# Altium PCB LPCB235R0.PcbDoc (part 5 of 7)
Units mm, origin at the board's own origin, x right, y up, seen from the top; angles counter-clockwise.
Board outline 134 x 120 mm, 6 copper layers (Top Layer, IP1(DGND), MidLayer1, MidLayer2, IP2(D3V3), Bottom Layer), stack 1.623 mm thick; 472 components, 425 nets, 2110 pads, 1126 vias.
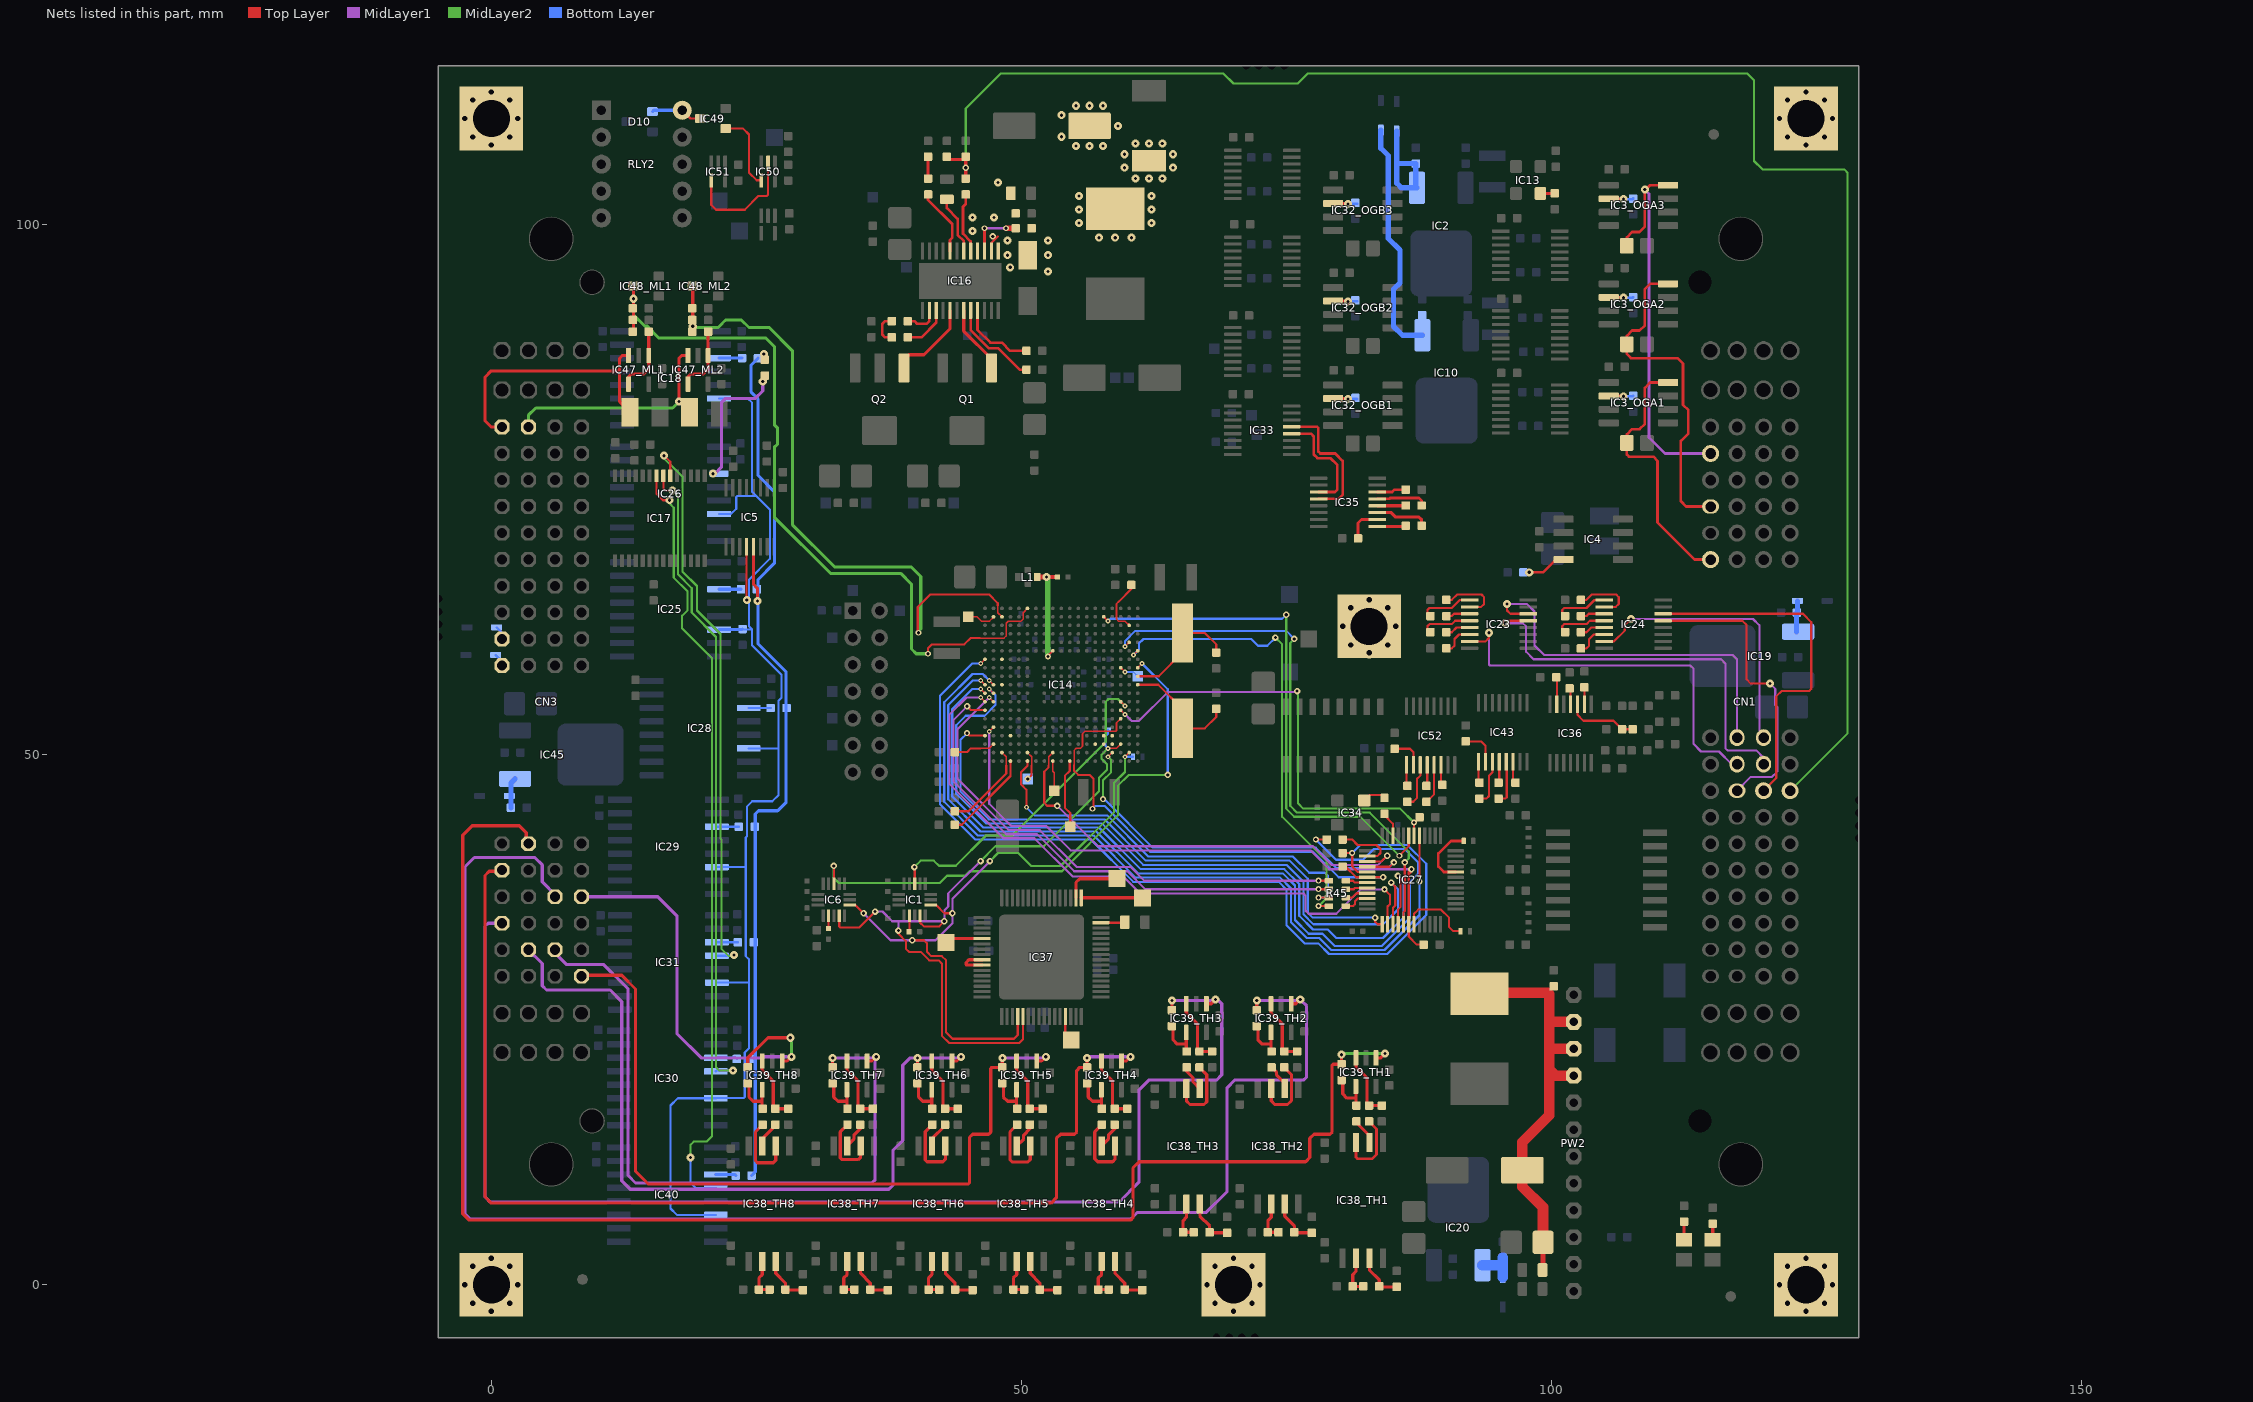
[diagram p9: the nets of this part, all layers, seen from the top]

## Via types
v1: diameter 0.762, hole 0.3, Top Layer to Bottom Layer, tented both sides, 756 vias
v2: diameter 0.61, hole 0.3, Top Layer to Bottom Layer, tented both sides, 135 vias
v3: diameter 0.457, hole 0.2, Top Layer to Bottom Layer, tented both sides, 98 vias
v4: diameter 1.016, hole 0.5, Top Layer to Bottom Layer, tented both sides, 57 vias
v5: diameter 0.6, hole 0.3, Top Layer to Bottom Layer, 30 vias
v6: diameter 0.559, hole 0.3, Top Layer to Bottom Layer, tented both sides, 24 vias
v7: diameter 0.6, hole 0.3, Top Layer to Bottom Layer, tented both sides, 18 vias
v8: diameter 1.1, hole 0.6, Top Layer to Bottom Layer, 8 vias

## Nets (pads, with @x,y where several pads share a name; then routed paths per layer and width w, separated by ;. In a path a pad name is that pad's centre, name@x,y a point inside that pad or via, vN(x,y) a via of type N, cw(c..) or ccw(c..) an arc to the next point about the centre after c; other vN are vias at no path point) (continued)
HEC_NRE6: IC17.6 IC31.4 | length 53.9
  Top Layer w0.203: v1(16.3,78.2) 16.875,77.625 IC17.6@16.875,76.3
  MidLayer2 w0.203: v1(16.3,78.2) 16.3,77.938 18.038,76.2 18.038,67.262 19.4,65.9 19.4,63.6 21.619,61.381 21.619,42.061 21.7,41.98 21.7,31.7 22.4,31 v1@22.8,31
  Bottom Layer w0.203: IC31.4@21.275,31.035 22.835,31.035 v1(22.9,31.1)
HEC_NRE7: IC17.7 IC30.4 | length 61.7
  Top Layer w0.203: IC17.7@16.225,76.3 16.225,75.075 16.4,74.9 v1(17.1,74.9)
  MidLayer2 w0.203: v1(17.1,74.9) 17.2,74.9 17.6,74.5 17.6,67 18.9,65.7 18.9,63.4 21.2,61.1 21.2,20.5 21.5,20.2 v1(22.8,20.2)
  Bottom Layer w0.203: IC30.4@21.175,20.135 21.24,20.2 v1(22.8,20.2)
HEC_NRE8: IC17.8 IC40.4 | length 73.8
  Top Layer w0.203: IC17.8@15.575,76.3 15.575,74.625 16.2,74 v1(16.8,74)
  MidLayer2 w0.203: v1(16.8,74) 16.8,73.7 17.2,73.3 17.2,66.7 18.519,65.381 18.519,63.619 18,63.1 18,61.9 20.819,59.081 20.819,14.019 20.3,13.5 19.1,13.5 18.8,13.2 v1(18.8,12)
  Bottom Layer w0.203: v1(18.8,12) 18.8,9.6 19.265,9.135 IC40.4@21.175,9.135
HEC_RX: IC5.13 R33.1 R34.1 R35.1 R36.1 R37.1 R38.1 R49.1 R57.1 | length 87.7
  Top Layer w0.3: IC5.13@24.725,69.625 24.725,66.075 25.1,65.7 v1(25.1,64.5)
  Bottom Layer w0.3: R57.1@24.55,10.3 24.9,10.65 24.9,44.4 25.2,44.7 27,44.7 27.8,45.5 27.8,57.8 25.15,60.45 25.15,66.5 26.7,68.05 26.7,74.8 25.15,76.35 25.15,82.8 25.15,83.55 24.5,84.2 24.5,86.75 R33.1@25.15,87.4
  other v1: 25.7,87.8
HEC_SIG1: CN3.3A_A IC39_TH1.1 R79_TH1.1 | length 146.3
  Top Layer w0.3: CN3.3A_A@3.5,41.6 3.3,41.8 3.3,42.628 2.628,43.3 -1.8,43.3 -2.7,42.4 -2.7,6.7 -2.1,6.1 60.3,6.1 60.522,6.322 60.522,11.022 61.1,11.6 76.8,11.6 77.2,12 77.2,13.8 77.6,14.2 79.1,14.2 79.3,14.4 79.3,20.7 79.4,20.8 R79_TH1.1@80.195,20.8 80.195,21.695 v1(80.2,21.7) ; IC39_TH1.1@83.445,21.4 83.9,21.4 v1(84.3,21.8)
  MidLayer2 w0.3: v1(80.2,21.7) 80.3,21.8 v1(84.3,21.8)
HEC_SIG2: CN3.2C_A IC39_TH2.1 R79_TH2.1 | length 148.5
  Top Layer w0.3: R79_TH2.1@72.195,25.9 72.195,26.795 v1(72.2,26.8) ; IC39_TH2.1@75.445,26.5 75.9,26.5 v1(76.3,26.9)
  MidLayer1 w0.3: CN3.2C_A@6.1,36.7 4.8,38 4.8,39.6 4.1,40.3 -1.6,40.3 -2.5,39.4 -2.5,6.7 -2,6.2 60.3,6.2 60.9,6.8 67.4,6.8 69.4,8.8 69.4,18.6 70.1,19.3 76.6,19.3 76.9,19.6 76.9,26.3 76.4,26.8 v1(72.2,26.8)
HEC_SIG3: CN3.4D_A IC39_TH3.1 R79_TH3.1 | length 120.4
  Top Layer w0.3: R79_TH3.1@64.195,25.9 64.195,26.795 v1(64.2,26.8) ; IC39_TH3.1@67.445,26.5 67.9,26.5 v1(68.3,26.9)
  MidLayer1 w0.3: CN3.4D_A@1,34.1 -0.3,34.1 -0.6,33.8 -0.6,8.3 -0.1,7.8 59.2,7.8 61.1,9.7 61.1,18.4 62,19.3 68.4,19.3 68.9,19.8 68.9,26.5 68.6,26.8 v1(64.2,26.8)
HEC_SIG4: CN3.4B_A IC39_TH4.1 R79_TH4.1 | length 107.2
  Top Layer w0.3: CN3.4B_A@1,39.1 0.9,39 -0.2,39 -0.6,38.6 -0.6,8.3 0,7.7 52.8,7.7 53.3,8.2 53.3,13.8 53.7,14.2 55,14.2 55.2,14.4 55.2,20.2 55.5,20.5 R79_TH4.1@56.195,20.5 56.195,21.395 v1(56.2,21.4) ; IC39_TH4.1@59.445,21.1 59.9,21.1 v1(60.3,21.5)
  MidLayer1 w0.3: v1(56.2,21.4) 56.3,21.5 v1(60.3,21.5)
HEC_SIG5: CN3.1F_A IC39_TH5.1 R79_TH5.1 | length 74.6
  Top Layer w0.3: CN3.1F_A@8.5,29.2 12.3,29.2 13.6,27.9 13.6,10.7 14.8,9.5 45,9.5 45.1,9.6 45.1,13.9 45.4,14.2 46.9,14.2 47.1,14.4 47.1,20.4 47.2,20.5 R79_TH5.1@48.195,20.5 48.195,21.395 v1(48.2,21.4) ; IC39_TH5.1@51.445,21.1 51.9,21.1 v1(52.3,21.5)
  MidLayer1 w0.3: v1(48.2,21.4) 52.2,21.4 v1(52.3,21.5)
HEC_SIG6: CN3.3E_A IC39_TH6.1 R79_TH6.1 | length 74.5
  Top Layer w0.3: R79_TH6.1@40.195,20.5 40.195,21.395 v1(40.2,21.4) ; IC39_TH6.1@43.445,21.1 43.9,21.1 v1(44.3,21.5)
  MidLayer1 w0.3: CN3.3E_A@3.5,31.6 4.8,30.3 4.8,28.2 5.2,27.8 11.2,27.8 12.3,26.7 12.3,9.8 13.1,9 37.5,9 37.891,9.391 37.891,12.691 38.8,13.6 38.8,20.7 39.5,21.4 v1(40.2,21.4) 44.2,21.4 v1(44.3,21.5)
HEC_SIG7: CN3.2E_A IC39_TH7.1 R79_TH7.1 | length 67.5
  Top Layer w0.3: R79_TH7.1@32.195,20.5 32.195,21.395 v1(32.2,21.4) ; IC39_TH7.1@35.445,21.1 35.9,21.1 v1(36.3,21.5)
  MidLayer1 w0.3: CN3.2E_A@5.9,31.7 5.9,31.4 7.1,30.2 10.6,30.2 12.9,27.9 12.9,10.3 13.6,9.6 35.9,9.6 36.2,9.9 36.2,21.4 v1(32.2,21.4)
HEC_SIG8: CN3.1C_A IC39_TH8.1 R79_TH8.1 | length 41.2
  Top Layer w0.3: R79_TH8.1@24.195,20.5 24.195,21.395 ; 24.2,21.4 24.195,21.395 ; IC39_TH8.1@27.445,21.1 27.9,21.1 v1(28.3,21.5) ; v1(28.2,23.3) 26.1,23.3 24.195,21.395
  MidLayer1 w0.3: CN3.1C_A@8.5,36.6 15.7,36.6 17.5,34.8 17.5,23.7 19.8,21.4 25.6,21.4 25.7,21.5 v1(28.3,21.5)
  MidLayer2 w0.3: v1(28.2,23.3) 28.3,23.2 v1(28.3,21.5)
HEC_TX: IC5.12 IC18.6 IC25.6 IC26.6 IC28.6 IC29.6 IC30.6 IC31.6 IC40.6 R30.2 | length 117.7
  Top Layer w0.203: IC5.12@24.075,69.625 24.075,64.725 v1@24.2,64.6
  Bottom Layer w0.203: IC40.6@21.175,6.595 17.505,6.595 16.9,7.2 16.9,16.9 17.595,17.595 IC30.6@21.175,17.595 21.18,17.6 23.8,17.6 23.9,17.7 23.9,21.9 24.3,22.3 24.3,28.5 ; IC31.6@21.275,28.495 24.295,28.495 24.3,28.5 ; IC29.6@21.275,39.395 23.995,39.395 24,39.4 ; IC26.6@21.475,72.695 22.595,72.695 23.1,73.2 23.1,74.3 23.2,74.4 25,74.4 ; IC18.6@21.475,83.595 24.205,83.595 24.6,83.2 24.6,74.8 25,74.4 ; R30.2@23.645,61.795 23.65,61.8 24.6,61.8 ; IC28.6@24.275,50.595 27.045,50.595 27.1,50.65 ; 24,39.4 24,42.2 24.1,42.3 24.1,45.1 24.6,45.6 26.5,45.6 27.1,46.2 27.1,50.65 ; 24,39.4 24,31 24.3,30.7 24.3,28.5 ; 24.6,61.8 24.3,62.1 24.3,66.5 26.271,68.471 26.271,73.129 25,74.4 ; 24.6,61.8 24.6,60.3 27.371,57.529 27.371,55.371 27.1,55.1 27.1,50.65
  Bottom Layer w0.3: IC25.6@21.475,61.795 R30.2@23.645,61.795 ; R30.2@23.65,61.8 R30.2@23.7,61.85
  other v1: 24.1,64.6
I2C_SCL: IC1.4 IC6.4 IC14.C3 IC37.5 R85.1 | length 70.3
  Top Layer w0.152: v3(58.165,50.595) 58.965,50.595 IC14.C3@59.365,50.995
  Top Layer w0.203: IC6.4@32.815,35.016 32.815,33.785 32.9,33.7 34.7,33.7 v2(36.2,35.2) ; v2(38.4,33.4) 38.4,33.1 39.1,32.4 39.1,31.7 39.4,31.4 40.5,31.4 41.3,30.6 42.2,30.6 42.5,30.3 42.5,23.5 43.2,22.8 ; IC1.4@40.435,35.016 40.435,34.165 40.8,33.8 42.245,33.8 v2(42.729,34.284) ; 44.831,22.8 43.2,22.8 ; IC37.5@50.15,25.3 50.15,23.15 49.8,22.8 43.2,22.8
  MidLayer1 w0.203: v2(36.2,35.2) 36.9,35.2 37.816,34.284 38.4,34.284 ; v2(38.4,33.4) 38.4,34.284 ; v2(46.145,39.958) 43.1,36.913 43.1,35.671 42.729,35.3 v2(42.729,34.284) 38.4,34.284
  MidLayer2 w0.203: v2(46.145,39.958) 47.542,41.355 52.114,41.355 57.321,46.562 57.321,47.832 58.083,48.594 58.083,49.077 57.565,49.595 57.565,49.995 v3(58.165,50.595)
  Bottom Layer w0.203: v3(58.165,50.595) 57.929,50.831 57.929,51.742 58.165,51.978 R85.1@58.165,52.345
I2C_SDA: IC1.6 IC6.6 IC14.B2 IC37.4 R84.1 | length 66.7
  Top Layer w0.152: v3(59.765,49.795) IC14.B2@60.165,50.195
  Top Layer w0.203: IC6.6@33.615,35.816 34.339,35.816 v2(35.109,35.046) ; v2(39.7,32.5) 40.8,32.5 41.1,32.2 41.1,31.4 41.5,31 42.5,31 42.9,30.6 42.9,23.8 43.5,23.2 ; IC1.6@41.235,35.816 41.959,35.816 42.729,35.046 v2(43.491,35.046) ; 46.6,23.2 43.5,23.2 ; IC37.4@49.65,25.3 49.65,23.55 49.3,23.2 43.5,23.2
  MidLayer1 w0.203: v2(35.109,35.046) 37.655,32.5 v2(39.7,32.5) 41.9,32.5 43.491,34.091 v2(43.491,35.046) 43.491,36.415 v2(47.034,39.958)
  MidLayer2 w0.203: v2(47.034,39.958) 47.796,40.72 49.701,40.72 50.921,39.5 53.688,39.5 58.718,44.53 58.718,47.324 59.765,48.371 v3(59.765,49.795)
  Bottom Layer w0.203: v3(59.765,49.795) R84.1@60.515,49.795
IMU_PITCH1_DRDY: IC1.11 IC14.H3 | length 31.7
  Top Layer w0.152: IC14.H3@59.365,54.995 v3(59.765,54.595)
  Top Layer w0.203: IC1.11@39.935,37.616 v2@39.935,39.4
  MidLayer2 w0.203: v2(39.9,39.4) 40.5,40 41.742,40 42.221,39.521 43.803,39.521 46.653,42.371 49.141,42.371 57.956,51.186 57.956,54.986 58.219,55.249 59.111,55.249 v3(59.765,54.595)
IMU_PITCH2_DRDY: IC6.11 IC14.M1 | length 52.6
  Top Layer w0.152: IC14.M1@60.965,58.195 v3(61.365,58.595)
  Top Layer w0.203: IC6.11@32.315,37.616 v2@32.315,39.5
  MidLayer2 w0.203: v2(32.3,39.5) 32.3,38.4 32.8,37.9 42.3,37.9 42.983,38.583 44.683,38.583 45.1,39 53.823,39 59.099,44.276 59.099,47.07 60.115,48.086 v2(63.798,48.086)
  Bottom Layer w0.203: v3(61.365,58.595) 63.798,56.162 v2(63.798,48.086)
IN_TRUCK_ACC: C70.1 CN1.1C_B R28.1 R29.2 | length 163.8
  Top Layer w0.305: C70.1@42.97,106.391 43.236,106.125 44.482,106.125 R29.2@44.748,106.391 v2(44.748,105.363) R28.1@44.748,104.335
  MidLayer2 w0.2: v2(44.748,105.363) 44.748,110.951 48.05,114.253 69.047,114.253 70,113.3 76.047,113.3 77,114.253 118.447,114.253 119.1,113.6 119.1,106 119.9,105.2 127.6,105.2 127.933,104.867 127.933,52.033 CN1.1C_B@122.5,46.6
INTLK_SW1_NC: CN1.3B_B IC23.7 | length 36.9
  Top Layer w0.203: IC23.7@92.265,60.685 93.785,60.685 94.1,61 v1(94.1,61.5)
  MidLayer1 w0.203: v1(94.1,61.5) 94.1,58.5 94.2,58.4 113.1,58.4 113.4,58.1 113.4,51 114.1,50.3 115.8,50.3 117,49.1 CN1.3B_B@117.5,49.1
INTLK_SW1_NO: CN1.3A_B IC23.14 | length 35.9
  Top Layer w0.203: v1(95.8,64.2) 95.8,63.6 96.115,63.285 IC23.14@97.815,63.285
  MidLayer1 w0.203: v1(95.8,64.2) 97.7,64.2 98.4,63.5 98.4,60.3 99.3,59.4 117.1,59.4 117.5,59 CN1.3A_B@117.5,51.6
INTLK_SW1_RET: CN1.2B_B IC23.13 | length 39
  Top Layer w0.203: v1@95.4,62.4 95.635,62.635 IC23.13@97.815,62.635 ; CN1.2B_B@120,49.1 CN1.2B_B@120,49.2
  MidLayer1 w0.203: v1(95.6,62.4) 97.3,62.4 97.6,62.1 97.6,59.7 98.3,59 116,59 116.4,58.6 116.4,50.6 116.6,50.4 119.3,50.4 120,49.7 CN1.2B_B@120,49.1
INTLK_SW2_NC: CN1.2A_B IC24.7 | length 27
  Top Layer w0.203: IC24.7@104.965,60.685 105.885,60.685 106.9,61.7 106.9,62.2 v1(107.5,62.8) v1@107.6,62.9
  MidLayer1 w0.203: v1(107.5,62.8) 119,62.8 119.6,62.2 119.6,57 119.6,52 CN1.2A_B@120,51.6
INTLK_SW2_NO: CN1.2C_B IC24.14 | length 33.6
  Top Layer w0.203: IC24.14@110.515,63.285 123.715,63.285 124.5,62.5 124.5,56.2 124.3,56 121.7,56 121.2,55.5 121.2,47.8 CN1.2C_B@120,46.6
INTLK_SW2_RET: CN1.3C_B IC24.13 | length 29
  Top Layer w0.203: IC24.13@110.515,62.635 118,62.635 118.4,62.235 118.4,57.1 118.8,56.7 v1(120.6,56.7) v1@120.9,56.7
  MidLayer1 w0.203: CN1.3C_B@117.5,46.6 118.8,47.9 120.8,47.9 121.3,48.4 121.3,54.5 121.1,54.7 121.1,56.2 v1(120.6,56.7)
ISO1: MH1.MOUNT
  other v4: 124,-2.5 122.25,-1.75 125.75,-1.75 121.5,0 126.5,0 122.25,1.75 125.75,1.75 124,2.5
ISO2: MH2.MOUNT
  other v4: 70,-2.5 68.25,-1.75 71.75,-1.75 67.5,0 72.5,0 68.25,1.75 71.75,1.75 70,2.5
ISO3: MH3.MOUNT
  other v4: 82.8,59.6 81.05,60.35 84.55,60.35 80.3,62.1 85.3,62.1 81.05,63.85 84.55,63.85 82.8,64.6
ISO4: MH4.MOUNT
  other v4: 0,-2.5 -1.75,-1.75 1.75,-1.75 -2.5,0 2.5,0 -1.75,1.75 1.75,1.75 0,2.5
ISO5: MH5.MOUNT
  other v4: 0,107.5 -1.75,108.25 1.75,108.25 -2.5,110 2.5,110 -1.75,111.75 1.75,111.75 0,112.5
ISO6: MH6.MOUNT
  other v4: 124,107.5 122.25,108.25 125.75,108.25 121.5,110 126.5,110 122.25,111.75 125.75,111.75 124,112.5
MAC_MDCLK: IC14.V5 IC27.31 | length 50.7
  Top Layer w0.152: IC14.V5@57.765,62.995 v3(58.165,62.595)
  Top Layer w0.203: v6(85.642,40.466) 86.535,41.359 IC27.31@86.535,42.355
  MidLayer2 w0.203: v2(74.974,63.199) 74.974,44.911 75.736,44.149 81.959,44.149 v6(85.642,40.466)
  Bottom Layer w0.203: v3(58.165,62.595) 58.388,62.818 74.593,62.818 v2(74.974,63.199)
MAC_MDIO: IC14.G3 IC27.30 R46.2 | length 41.8
  Top Layer w0.152: IC14.G3@59.365,54.195 v3(59.765,53.795)
  Top Layer w0.203: IC27.30@87.035,42.355 v6(87.035,43.594)
  MidLayer1 w0.203: v3(59.765,53.795) 60.394,53.166 61.066,53.166 63.8,55.9 75.9,55.9 v2(76,56)
  MidLayer2 w0.203: v2(76,56) 76.1,55.9 76.1,45.4 76.589,44.911 85.718,44.911 v6(87.035,43.594)
MID_SIG_Q2: IC36.3 R71.2 R72.2 | length 6.8
  Top Layer w0.203: IC36.3@102.45,54.775 102.45,53.75 103,53.2 105.85,53.2 R72.2@106.65,52.4 R71.2@107.65,52.4
MII_COL: IC14.F3 IC27.42 R41.1 | length 49.3
  Top Layer w0.152: 54.965,48.995 54.965,50.395 55.165,50.595 55.565,50.595 55.765,50.795 55.765,51.965 55.996,52.196 58.896,52.196 58.965,52.265 58.965,52.995 IC14.F3@59.365,53.395
  Top Layer w0.203: 54.965,48.995 54.965,48.495 55.365,48.095 56.423,48.095 56.8,47.718 56.8,45 v6@56.6,44.8 ; 80.804,39.208 80.296,39.208 R41.1@80.296,39.45 80.562,39.45 81.582,38.43 IC27.42@82.61,38.43 v2(84.118,38.43)
  Bottom Layer w0.203: v6@56.6,44.8 56.965,45.165 57.829,45.165 62.147,40.847 77.514,40.847 79.931,38.43 v2(84.118,38.43)
  other v6: 56.7,44.9
MII_RXD0: IC14.P1 R45.4 | length 44.1
  Top Layer w0.152: v3(60.565,59.395) IC14.P1@60.965,59.795
  Top Layer w0.203: v6(78.022,35.71) R45.4@79,35.71
  MidLayer2 w0.203: v2(73.958,61.04) 74.593,60.405 74.593,44.149 78.784,39.958 78.784,36.472 v6(78.022,35.71)
  Bottom Layer w0.203: v3(60.565,59.395) 61.08,59.91 61.08,60.481 61.512,60.913 71.672,60.913 72.307,60.278 73.196,60.278 v2(73.958,61.04)
MII_RXD1: IC14.A14 R45.3 | length 39.8
  Top Layer w0.203: v3(50.463,45.038) 50.463,46.689 49.955,47.197 49.955,48.34 50.565,48.95 IC14.A14@50.565,49.395 ; v6(78.022,36.51) R45.3@79,36.51
  Bottom Layer w0.203: v3(50.463,45.038) 51.225,44.276 58.083,44.276 61.959,40.4 75.6,40.4 77.134,38.866 78.634,38.866 78.9,38.6 78.9,36.7 78.71,36.51 v6(78.022,36.51)
MII_RXD2: IC14.G19 R45.2 | length 49.1
  Top Layer w0.203: v2(44.875,54.563) 45.243,54.195 IC14.G19@46.565,54.195 ; v6(78.022,37.31) R45.2@79,37.31
  MidLayer1 w0.203: v2(44.875,54.563) 43.605,53.293 43.605,47.451 48.558,42.498 51.479,42.498 54.977,39 60,39 61.69,37.31 v6(78.022,37.31)
MII_RXD3: IC14.H18 R45.1 | length 48.5
  Top Layer w0.152: v3(46.965,55.395) IC14.H18@47.365,54.995
  Top Layer w0.203: v6(78.022,38.11) R45.1@79,38.11
  MidLayer1 w0.203: v3(46.965,55.395) 43.986,52.416 43.986,47.705 48.812,42.879 51.733,42.879 55.212,39.4 60.3,39.4 61.59,38.11 v6(78.022,38.11)
MLP_420IN1: CN3.1K_B IC47_ML1.3 R22_ML1.2 | length 25.4
  Top Layer w0.3: CN3.1K_B@1,80.9 0,80.9 -0.6,81.5 -0.6,85.6 0,86.2 12.1,86.2 ; IC47_ML1.3@12.95,87.65 12.35,87.65 12.1,87.4 12.1,86.2 ; R22_ML1.2@13.1,82.3 12.1,83.3 12.1,86.2
MLP_420IN2: CN3.2K_B IC47_ML2.3 R22_ML2.2 | length 22.3
  Top Layer w0.3: IC47_ML2.3@18.55,87.65 17.95,87.65 17.7,87.4 v1(17.7,83.3) R22_ML2.2@18.7,82.3
  MidLayer2 w0.3: CN3.2K_B@3.5,80.9 3.5,82 4.2,82.7 17.1,82.7 v1(17.7,83.3)
MLP_A1: C141_ML1.1 IC14.W14 IC48_ML1.3 R91_ML1.1 R92_ML1.2 | length 72.6
  Top Layer w0.152: 46.065,60.995 48.365,60.995 48.565,61.195 48.565,62.395 48.765,62.595 49.965,62.595 50.165,62.795 50.165,63.395 IC14.W14@50.565,63.795
  Top Layer w0.203: v6(41.192,59.516) 41.192,60.024 41.573,60.405 44.621,60.405 45.211,60.995 46.065,60.995
  Top Layer w0.3: R91_ML1.1@13.35,89.9 13.4,89.95 IC48_ML1.3@13.4,94.2
  MidLayer2 w0.3: v1(13.4,93) 13.4,91.5 14.5,90.4 14.7,90.4 15.8,89.3 25.9,89.3 26.7,88.5 26.7,81.1 27,80.8 27,79.3 26.7,79 26.7,72.39 31.99,67.1 38.6,67.1 39.631,66.069 39.631,59.969 40.084,59.516 v6(41.192,59.516)
MLP_A2: C141_ML2.1 IC14.V17 IC48_ML2.3 R91_ML2.1 R92_ML2.2 | length 64.2
  Top Layer w0.152: 47.765,64.095 47.765,63.395 IC14.V17@48.165,62.995
  Top Layer w0.203: v6(40.3,61.5) v6@40.224,61.5 ; 47.765,64.095 47.765,64.295 46.956,65.104 45.51,65.104 41.404,65.104 40.224,63.924 v6@40.224,61.548 ; v6@40.224,61.5 v6@40.224,61.548 ; v6@40.224,61.5 40.176,61.548 v6@40.224,61.548
  Top Layer w0.3: R91_ML2.1@18.95,89.9 19,89.95 IC48_ML2.3@19,94.2
  MidLayer2 w0.3: v1(19,90.4) 19.109,90.291 21.394,90.291 21.809,90.706 21.809,90.709 22.1,91 23.591,91 24.3,90.291 ; 24.7,90.291 24.3,90.291 ; v6(40.3,61.5) 40.224,61.5 40.176,61.548 40.5,61.872 40.5,66.8 39.6,67.7 32.4,67.7 28.4,71.7 28.4,88.1 26.209,90.291 24.3,90.291
MLP_P24V_1: CN3.1A_B D11.1 | length 1.2
  Bottom Layer w0.203: D11.1@0.4,59.4 1,58.8 CN3.1A_B@1,58.4
MLP_P24V_2: CN3.1B_B D12.1 | length 1.3
  Bottom Layer w0.203: D12.1@0.5,62 1,61.5 CN3.1B_B@1,60.9
NetC2_1: C2.1 IC1.2 | length 1.7
  Top Layer w0.203: C2.1@39.4,33.3 39.435,33.335 IC1.2@39.435,34.816 IC1.2@39.435,35.016
NetC11_1: C11.1 D1.1 IC2.1 | length 11.2
  Bottom Layer w0.5: D1.1@85.4,108.8 85.4,105.8 ; 85.4,105.8 85.45,105.75 C11.1@87.2,105.75 87.2,103.573 IC2.1@87.314,103.459 85.841,103.459 85.4,103.9 85.4,105.8
NetC15_1: C15.1 D2.1 IC10.1 | length 22.6
  Bottom Layer w0.5: D2.1@83.9,108.9 83.9,107.2 84.6,106.5 84.6,98.7 85.7,97.6 85.7,94.5 85.1,93.9 85.1,90.4 85.941,89.559 IC10.1@87.814,89.559
NetC20_1: C20.1 D7.1 IC20.1 | length 3.8
  Bottom Layer w1: IC20.1@93.486,1.841 95.359,1.841 95.4,1.8 ; D7.1@95.4,0.7 95.4,1.8 ; C20.1@95.4,2.55 95.4,1.8
NetC27_1: C27.1 IC14.K1 X1.2 | length 11.4
  Top Layer w0.203: IC14.K1@60.965,56.595 62.909,56.595 65.195,54.309 X1.2@65.195,52.476 67.299,52.476 68.37,53.547 C27.1@68.37,54.321
NetC28_2: C28.2 IC14.L1 X1.1 | length 11.4
  Top Layer w0.203: IC14.L1@60.965,57.395 62.947,57.395 65.195,59.643 X1.1@65.195,61.476 67.299,61.476 68.37,60.405 C28.2@68.37,59.631
NetC29_1: C29.1 C30.1 IC14.P11 L1.2 | length 11
  Top Layer w0.203: IC14.P11@52.965,59.795 v6@52.598,59.428 ; v6@52.598,59.428 52.598,59.365 v6(52.495,59.262) 52.495,59.325 v6@52.598,59.428
  Top Layer w0.381: v1(52.368,66.755) C30.1@53.392,66.755
  Top Layer w0.508: L1.2@51.49,66.755 v1(52.368,66.755)
  MidLayer2 w0.508: v1(52.368,66.755) 52.495,66.628 v6(52.495,59.262)
  Bottom Layer w0.381: v6(52.495,59.262) C29.1@52.495,59.905
NetC59_1: C59.1 C60.1 CE4.1 D4.1 IC16.2 IC16.4 | length 1.6
  Top Layer w0.203: IC16.2@47.165,97.495 47.165,98.267 47.784,98.886
  other v1: 45.383,99.394 45.383,100.664 47.415,100.664 47.796,103.966 60.75,104.347 62.02,104.347 63.29,104.347 59.734,105.363 64.306,105.363 59.734,106.633 64.306,106.633 55.162,107.395 56.432,107.395 57.702,107.395 60.75,107.649 62.02,107.649 63.29,107.649 53.765,108.284 59.099,109.3 53.765,110.316 55.162,111.205 56.432,111.205 57.702,111.205
  other v2: 47.288,98.886
NetC61_1: C61.1 D5.1 IC16.1 L2.1
  other v1: 52.495,95.584 48.939,95.965 48.685,97.108 52.495,97.108 48.685,98.505 52.495,98.505 57.321,98.759 58.845,98.759 60.369,98.759 55.416,100.156 62.274,100.156 55.416,101.426 62.274,101.426 55.416,102.696 62.274,102.696
NetC61_2: C61.2 IC16.3 | length 5.1
  Top Layer w0.254: IC16.3@46.515,97.495 v6(46.515,99.648)
  Top Layer w0.508: v6(48.558,99.648) C61.2@49.459,99.648
  MidLayer1 w0.254: v6(46.515,99.648) v6(48.558,99.648)
NetC63_1: C63.1 IC16.15 | length 4.4
  Top Layer w0.254: C63.1@39.275,89.361 40.557,89.361 41.965,90.769 IC16.15@41.965,91.895
NetC63_2: C63.2 R23.2 | length 3
  Top Layer w0.254: C63.2@37.775,89.361 37.128,89.361 36.874,89.615 36.874,90.631 37.128,90.885 R23.2@37.775,90.885
NetC67_1: C67.1 IC16.21 | length 7.1
  Top Layer w0.254: IC16.21@45.865,91.895 45.865,90.073 47.085,88.853 48.177,88.853 48.939,88.091 C67.1@50.275,88.091
NetC68_2: C68.2 IC16.20 | length 8.7
  Top Layer w0.254: IC16.20@45.215,91.895 45.215,90.037 46.907,88.345 47.796,88.345 49.828,86.313 C68.2@50.475,86.313
NetC69_1: C69.1 IC16.6 | length 5.5
  Top Layer w0.254: C69.1@42.97,102.381 42.97,101.553 43.986,100.537 43.986,99.013 44.565,98.434 IC16.6@44.565,97.495
NetC73_1: C73.1 C74.1 CE1.1 CT3.1 L4.1 PW2.9 PW2.10 PW2.11 | length 41.7
  Top Layer w0.5: C74.1@99.15,1.4 99.2,1.45 CT3.1@99.2,4
  Top Layer w1: L4.1@93.2,27.55 99.65,27.55 99.8,27.4 99.8,24.9 ; CT3.1@99.2,4 99.2,7.3 97.25,9.25 CE1.1@97.25,10.8 97.25,13.45 99.8,16 99.8,20.3 ; PW2.9@102.1,19.72 100.38,19.72 99.8,20.3 ; PW2.10@102.1,22.26 99.84,22.26 99.8,22.3 ; PW2.11@102.1,24.8 99.9,24.8 99.8,24.9 ; 99.8,20.3 99.8,22.3 ; 99.8,22.3 99.8,24.9
NetC80_1: C80.1 D6.1 IC19.1 | length 3
  Bottom Layer w0.5: IC19.1@123.1,61.586 123.1,63.35 C80.1@123.15,63.4 123.2,63.45 D6.1@123.2,64.5
NetC87_1: C87.1 IC6.2 | length 1.4
  Top Layer w0.203: C87.1@31.815,33.649 IC6.2@31.815,35.016
NetC98_2: C98.2 IC23.2 | length 6
  Top Layer w0.203: C98.2@90.075,64.596 90.595,64.596 91.103,65.104 93.389,65.104 93.643,64.85 93.643,64.215 93.363,63.935 IC23.2@92.265,63.935
NetC99_1: C99.1 IC23.1 | length 5
  Top Layer w0.203: C99.1@88.575,63.072 88.309,63.338 88.309,63.656 88.487,63.834 90.595,63.834 91.346,64.585 IC23.1@92.265,64.585
NetC99_2: C99.2 IC23.3 | length 2.3
  Top Layer w0.203: C99.2@90.075,63.072 90.595,63.072 90.808,63.285 IC23.3@92.265,63.285